# KiCad board AurisenseV2.kicad_pcb (continued)
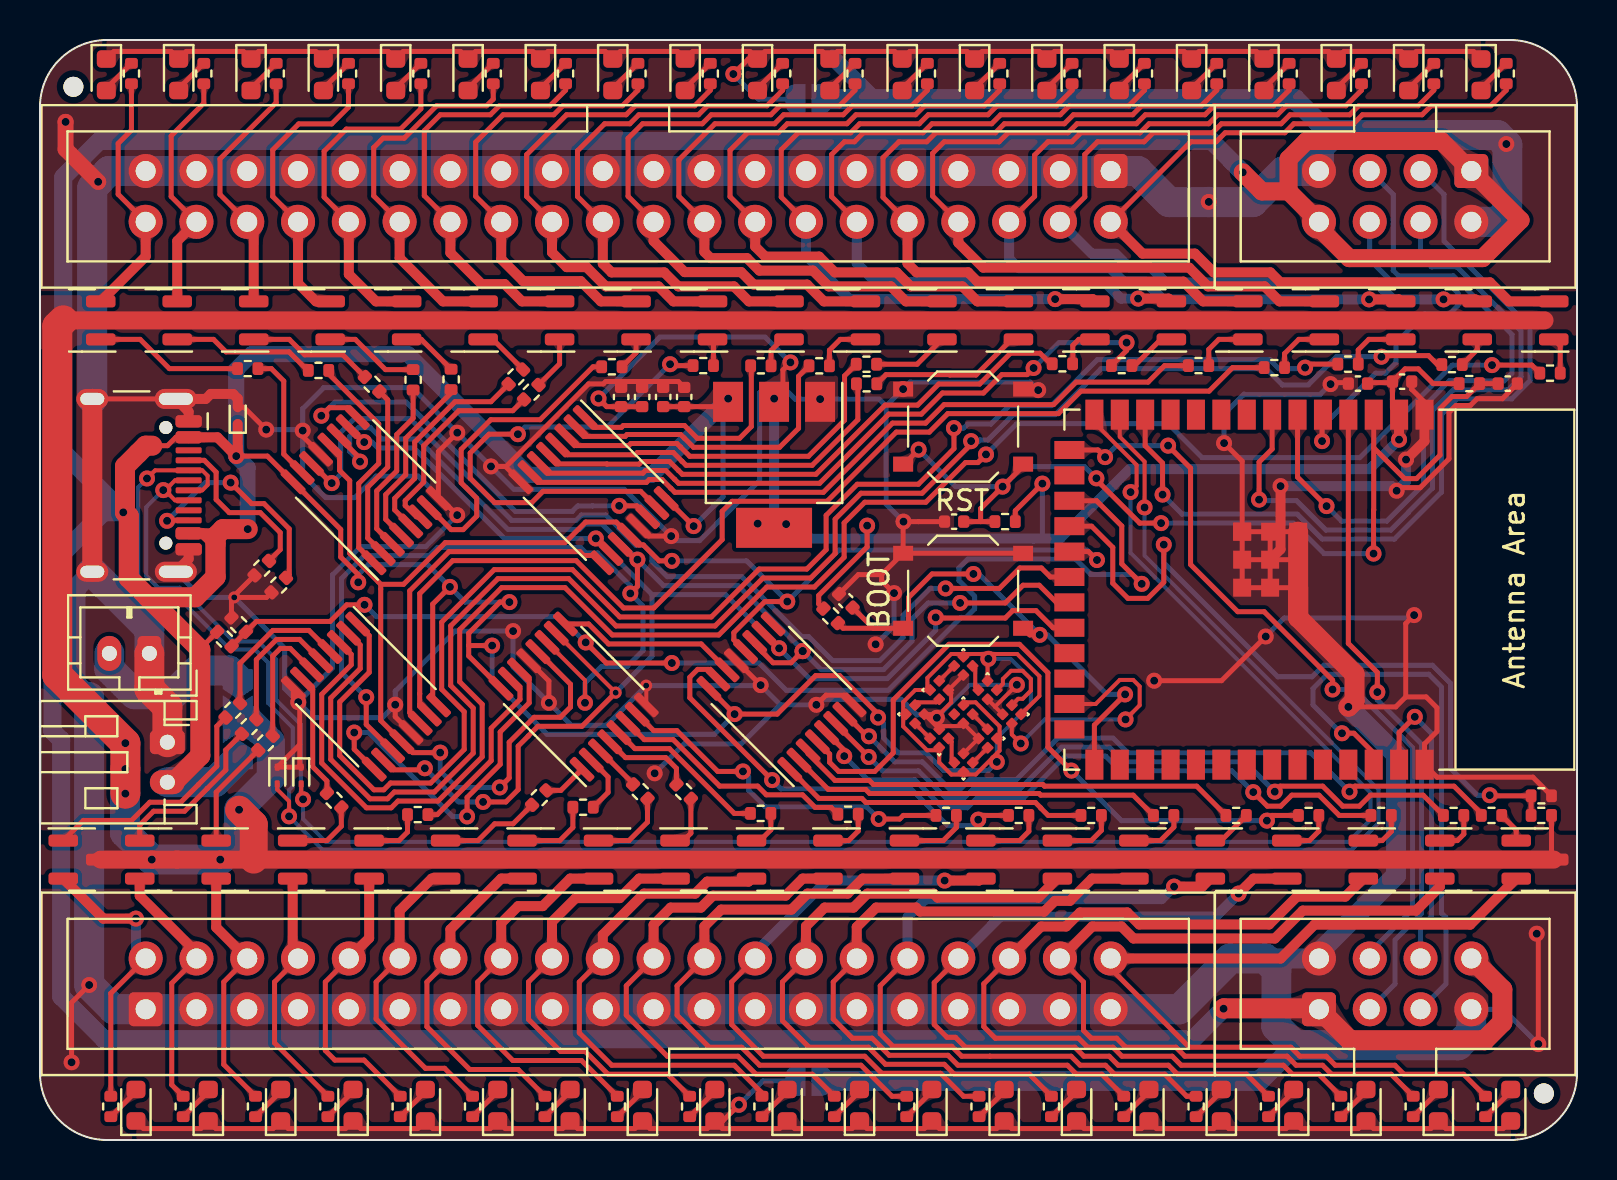
[diagram p0: board, top side]
## Nets (continued)
V Motor: JP1.2 Q1.3 Q2.3 Q3.3 Q4.3 Q5.3 Q6.3 Q7.3 Q8.3 Q9.3 Q10.3 Q11.3 Q12.3 Q13.3 Q14.3 Q15.3 Q16.3 Q17.3 Q18.3 Q19.3 Q20.3 Q21.3 Q22.3 Q23.3 Q24.3 Q25.3 Q26.3 Q27.3 Q28.3 Q29.3 Q30.3 Q31.3 Q32.3 Q33.3 Q34.3 Q35.3 Q36.3 Q37.3 Q38.3 Q39.3 Q40.3 R88.2
Net-(D1-A): D1.2 R2.2
Net-(D2-A): D2.2 R4.2
Net-(D3-A): D3.2 R6.2
Net-(D4-A): D4.2 R8.2
Net-(D5-A): D5.2 R10.2
Net-(D6-A): D6.2 R12.2
Net-(D7-A): D7.2 R14.2
Net-(D8-A): D8.2 R16.2
Net-(D9-A): D9.2 R18.2
Net-(D10-A): D10.2 R20.2
Net-(D11-A): D11.2 R22.2
Net-(D12-A): D12.2 R24.2
Net-(D13-A): D13.2 R26.2
Net-(D14-A): D14.2 R28.2
Net-(D15-A): D15.2 R30.2
Net-(D16-A): D16.2 R32.2
Net-(D17-A): D17.2 R34.2
Net-(D18-A): D18.2 R36.2
Net-(D19-A): D19.2 R38.2
Net-(D20-A): D20.2 R40.2
Net-(D21-A): D21.2 R42.2
Net-(D22-A): D22.2 R44.2
Net-(D23-A): D23.2 R46.2
Net-(D24-A): D24.2 R48.2
Net-(D25-A): D25.2 R50.2
Net-(D26-A): D26.2 R52.2
Net-(D27-A): D27.2 R54.2
Net-(D28-A): D28.2 R56.2
Net-(D29-A): D29.2 R59.2
Net-(D30-A): D30.2 R61.2
Net-(D31-A): D31.2 R63.2
Net-(D32-A): D32.2 R65.2
Net-(D37-A): D37.2 R78.2
Net-(D38-A): D38.2 R79.2
Net-(D39-A): D39.2 R80.2
Net-(D40-A): D40.2 R81.2
Net-(D41-A): D41.2 R82.2
Net-(D42-A): D42.2 R83.2
Net-(D43-A): D43.2 R84.2
Net-(D44-A): D44.2 R85.2
Net-(Q1-G): Q1.1 R1.2
Net-(Q2-G): Q2.1 R3.2
Net-(Q3-G): Q3.1 R5.2
Net-(Q4-G): Q4.1 R7.2
Net-(Q5-G): Q5.1 R9.2
Net-(Q6-G): Q6.1 R11.2
Net-(Q7-G): Q7.1 R13.2
Net-(Q8-G): Q8.1 R15.2
Net-(Q9-G): Q9.1 R17.2
Net-(Q10-G): Q10.1 R19.2
Net-(Q11-G): Q11.1 R21.2
Net-(Q12-G): Q12.1 R23.2
Net-(Q13-G): Q13.1 R25.2
Net-(Q14-G): Q14.1 R27.2
Net-(Q15-G): Q15.1 R29.2
Net-(Q16-G): Q16.1 R31.2
Net-(Q17-G): Q17.1 R33.2
Net-(Q18-G): Q18.1 R35.2
Net-(Q19-G): Q19.1 R37.2
Net-(Q20-G): Q20.1 R39.2
Net-(Q21-G): Q21.1 R41.2
Net-(Q22-G): Q22.1 R43.2
Net-(Q23-G): Q23.1 R45.2
Net-(Q24-G): Q24.1 R47.2
Net-(Q25-G): Q25.1 R49.2
Net-(Q26-G): Q26.1 R51.2
Net-(Q27-G): Q27.1 R53.2
Net-(Q28-G): Q28.1 R55.2
Net-(Q29-G): Q29.1 R57.2
Net-(Q30-G): Q30.1 R60.2
Net-(Q31-G): Q31.1 R62.2
Net-(Q32-G): Q32.1 R64.2
Net-(Q33-G): Q33.1 R70.2
Net-(Q34-G): Q34.1 R71.2
Net-(Q35-G): Q35.1 R72.2
Net-(Q36-G): Q36.1 R73.2
Net-(Q37-G): Q37.1 R74.2
Net-(Q38-G): Q38.1 R75.2
Net-(Q39-G): Q39.1 R76.2
Net-(Q40-G): Q40.1 R77.2
Net-(U2-QA): R1.1 U2.15
Net-(U2-QB): R3.1 U2.1
Net-(U2-QC): R5.1 U2.2
Net-(U2-QD): R7.1 U2.3
Net-(U2-QE): R9.1 U2.4
Net-(U2-QF): R11.1 U2.5
Net-(U2-QG): R13.1 U2.6
Net-(U2-QH): R15.1 U2.7
Net-(U4-QA): R70.1 U4.15
Net-(U4-QB): R71.1 U4.1
Net-(U4-QC): R72.1 U4.2
Net-(U4-QD): R73.1 U4.3
Net-(U4-QE): R74.1 U4.4
Net-(U4-QF): R75.1 U4.5
Net-(U4-QG): R76.1 U4.6
Net-(U4-QH): R77.1 U4.7
Net-(U5-DOUT): U5.1 U7.4
Net-(U6-QA): R17.1 U6.15
Net-(U6-QB): R19.1 U6.1
Net-(U6-QC): R21.1 U6.2
Net-(U6-QD): R23.1 U6.3
Net-(U6-QE): R25.1 U6.4
Net-(U6-QF): R27.1 U6.5
Net-(U6-QG): R29.1 U6.6
Net-(U6-QH): R31.1 U6.7
Net-(U7-DOUT): U7.1 U8.4
Net-(U9-QA): R33.1 U9.15
Net-(U9-QB): R35.1 U9.1
Net-(U9-QC): R37.1 U9.2
Net-(U9-QD): R39.1 U9.3
Net-(U9-QE): R41.1 U9.4
Net-(U9-QF): R43.1 U9.5
Net-(U9-QG): R45.1 U9.6
Net-(U9-QH): R47.1 U9.7
Net-(U10-DIN): U8.1 U10.4
Net-(U10-DOUT): U10.1 U12.4
Net-(U11-QA): R49.1 U11.15
Net-(U11-QB): R51.1 U11.1
Net-(U11-QC): R53.1 U11.2
Net-(U11-QD): R55.1 U11.3
Net-(U11-QE): R57.1 U11.4
Net-(U11-QF): R60.1 U11.5
Net-(U11-QG): R62.1 U11.6
Net-(U11-QH): R64.1 U11.7
Net-(U12-DOUT): U12.1 U13.4
Net-(U13-DOUT): U13.1 U14.4
Net-(U14-DOUT): U14.1 U15.4
Net-(U15-DOUT): U15.1 U16.4

Pads without a net: J1 A8 B8; U1 8 9 10 11 16 23 24 26 28 29 30 31 32 33 34 35 36 37; U16 1

## Via types
v1: diameter 0.8, hole 0.4, Top to Bottom, 158 vias
v2: diameter 0.6, hole 0.3, Top to Bottom, 3 vias

## Routing (per net, layer and track width the routed paths; a pad name or vN(x,y) marks a point on that pad's centre or on a via; arc(x,y) is an arc through that point)
5V Monitoring: length 60.1
  Top w0.25: R86.1 R87.1 10.82,25.93 14.51,25.93 15.34,26.76 v1(16.23,26.76) ; U1.17 52.84,31.96 54.1,30.7 54.1,28.8 v1(55.1,27.81) ; v1(31.6,23.85) 28.32,23.85 v1(27.29,24.88)
  Bottom w0.25: v1(55.1,27.81) 54.63,28.27 52.56,28.27 51.79,29.04 46.4,29.04 45.96,28.6 45.96,27.97 46.74,27.19 46.74,26.55 46.31,26.13 46.07,26.13 42.42,22.48 37.32,22.48 35.96,23.85 v1(31.6,23.85) ; v1(16.23,26.76) 16.82,26.17 26,26.17 v1(27.29,24.88)
+3V3: length 76.9
  Top w0.25: C4.1 C5.1 ; C4.1 28.96,36.57 ; C4.1 28.34,36.67 v1(27.93,37.08) ; v1(37.53,38.88) 37.15,38.5 37.15,37.35 U3.2 ; 66.52,37.87 67.59,37.87 C6.2 67.64,37.93 68.27,38.55 68.93,38.55 69.67,37.82 R58.1 ; 50.12,32.82 v1(50.13,32.82) 48.77,31.46 R68.1 ; R69.1 38.94,26.81 38.94,27.23 41.36,29.65 v1(41.36,30.72) ; 67.63,38.02 67.63,37.02 ; 67.63,38.02 67.63,37.81 ; 67.63,38.02 67.58,37.97 ; U1.2 67.63,36.6 67.63,37.02 ; 67.63,37.07 67.63,37.02
  Top w0.5: U1.2 67.96,36.26 v1(67.96,35.02)
  Bottom w0.25: v1(27.93,37.08) 31,40.15 36.26,40.15 v1(37.53,38.88) ; v1(41.36,30.72) 41.36,30.07 ; v1(50.13,32.82) 50.13,30.07 49.69,30.07
  Bottom w0.5: v1(36.71,37.07) 36.71,31.39 ; 36.71,31.39 v1(37.31,30.79) 38.04,30.07 51.01,30.07 53.69,32.74 53.69,32.75 54.49,33.54 66.49,33.54 v1(67.96,35.02) ; 36.71,31.39 36.14,30.82 v1(35.89,30.82)
+5V: length 411.7
  Top w0.2: 47.42,24.3 46.31,24.3 U8.2 46.04,24.3 45.57,24.3 44.38,23.11 44.38,22.63 U10.2 43.77,22.5 43.17,21.9 43.17,21.42 U12.2 43.17,21.16 43.17,20.68 44.36,19.49 44.84,19.49 U13.2 44.97,18.88 45.58,18.27 46.05,18.27 U14.2 46.32,18.27 46.79,18.27 47.64,19.12 ; 47.42,24.3 47.39,24.27 U7.2 ; 47.42,24.3 48.87,24.3 49.98,23.19 49.98,22.2 U5.2 ; U16.2 46.31,21.88 46.79,21.88 47.99,20.68 47.99,20.21 U15.2 47.99,19.94 47.99,19.47 47.64,19.12 ; 47.64,19.12 47.64,19.12 v1(47.85,18.91)
  Top w0.25: U4.16 v1(34.74,21.29) 36.86,21.29 38.79,23.22 39.99,23.22 41.91,21.3 v1(41.91,21.12) ; 21.44,24.73 21.44,24.2 U11.16 ; 21.44,24.73 21.44,25.33 23,26.89 v1(23.48,26.89) ; 21.44,24.73 21.45,24.72 v1(22.61,24.72) ; C2.1 C3.1 34.01,36.67 v1(34.41,37.07) ; v1(9.81,34.19) 11.37,34.19 U2.16 15.04,30.53 15.04,29.15 15.91,28.27 v1(15.91,27.88) ; 31.36,32.13 U6.16 31.31,32.07 v1(32.69,30.69) ; R86.2 8.02,24.57 8.02,24.51 ; v1(20.5,27.66) 19.64,26.79 19.64,22.05 U9.16 ; 5.46,34.72 6.38,34.72 6.79,35.13 7.43,35.13
  Top w0.5: 8.53,29.93 8.53,27.99 7.81,27.27 5.74,27.27 5.5,27.03 ; 8.53,29.93 9.15,30.54 8.94,30.33 7.43,30.33 8.13,30.33 8.53,29.93 ; D33.1 9.89,34.27 v1(9.81,34.19) 8.87,35.13 7.43,35.13
  Top w0.9: 62.44,47.43 61.1,47.43 v1(60.15,48.38) ; 62.44,47.43 J6.8 ; 62.44,47.43 62.44,49.05 63.34,49.95 70.08,49.95 J6.1 74.04,45.99 72.14,44.09 65.47,44.09 63.96,45.61
  Top w1: 5.61,34.72 5.29,34.72 4.25,33.68 4.25,31.38 4.44,31.19 4.44,28.09 5.4,27.14 ; 5.4,27.14 7.77,27.14 8.78,28.16 8.78,30.18 9.15,30.54 v1(10.39,30.54) ; 5.4,27.14 8.02,24.51 8.02,19.22 6.69,17.89 J3.2 ; J7.8 73.13,7.53 73.13,5.88 72.24,4.99 65.51,4.99 J7.1 63.91,6.58 59.21,6.58 v1(59.19,6.56)
  Bottom w0.2: v1(47.85,18.91) 47.85,20.09 49.55,21.79 49.55,23.05 48.54,24.06 v1(47.43,24.06)
  Bottom w0.25: v1(22.61,24.72) 22.61,23.03 25.36,20.28 33.72,20.28 v1(34.74,21.29) ; v1(32.69,30.69) 34.16,32.16 34.16,36.81 v1(34.41,37.07) ; v1(47.85,18.91) 47.42,18.47 45.19,18.47 44.31,19.36 42.92,19.36 42.18,20.1 42.18,20.85 v1(41.91,21.12) ; v1(23.48,26.89) 21.26,26.89 v1(20.5,27.66) 19.38,28.77 16.41,28.77 15.91,28.27 v1(15.91,27.88)
  Bottom w0.5: v1(10.39,30.54) 10.38,30.55
  Bottom w0.8: 10.38,30.55 10.38,33.62 v1(9.81,34.19) 9.81,38.52 10.59,39.29 18.4,39.29 24.43,33.26 30.6,33.26 v1(34.41,37.07)
  Bottom w0.9: v1(60.15,48.38) 58.58,49.95 2.97,49.95 1.16,48.14 1.16,34.38 v1(4.16,31.38) 3.18,31.38 0.62,28.82 0.62,20.45 1.06,20.01 1.06,7.17 3.19,5.04 57.66,5.04 v1(59.19,6.56)
  Bottom w1.5: JP1.1 8.74,17.89 J3.2
GND: length 677.4
  Top w0.2: 47.76,21.67 47.76,21.67 v1(48.85,22.76) ; 47.76,21.67 U5.3 ; 47.76,21.67 U7.3 ; U8.3 U10.3 ; U10.3 45.56,22.36 45.56,21.88 44.97,21.29 U12.3 U13.3 45.13,20.7 46.05,20.7 U16.3 U15.3 U14.3 ; U10.3 45.59,22.34 ; v2(30.31,22.72) 30.32,22.71 U11.8
  Top w0.25: R67.1 11.32,27.13 v2(9.71,27.13) ; 2.61,37.05 J1.S1 ; 42.09,28.27 43.16,29.34 43.16,29.34 ; 42.09,28.27 40.92,28.27 C9.2 ; 42.09,28.27 42.09,27.96 v1(42.71,27.34) ; R89.2 74.66,18.14 69.86,18.14 U1.40 69.24,19.8 69.86,20.42 69.86,21.61 69.32,22.16 68.3,22.16 ; v1(17.76,21.76) 17.76,21.17 U9.13 ; U1.1 69.24,36.89 68.59,37.54 ; 43.01,37.39 v1(43.16,37.54) ; 74.93,5.09 74.93,10.23 v1(74.85,10.31) ; v1(61.3,25.17) 59.09,22.96 v1(55.72,22.96) ; U6.8 23.28,33.68 v1(22.55,33.68) 23.31,33.68 27.44,37.8 28.17,37.8 28.29,37.92 31.92,37.92 C3.2 ; U1.41 U1.41 ; v1(59.21,34.84) 60.12,33.94 U1.41 ; D35.1 11.86,18.64 12.99,19.77 ; SW1.1 49.87,37.54 v1(49.92,37.49) ; 68.59,38.02 68.59,37.54 ; 68.59,37.54 68.6,37.54 C6.1 ; v1(2.46,7.75) 1.58,6.87 v1(1.58,3.88) ; U1.41 U1.41 ; U2.13 13.14,35.18 v1(13.14,35.47) ; D33.2 10.19,36.64 v1(11.31,35.52) ; 64.53,37.97 64.54,37.96 v1(64.54,37.79) 64.61,37.87 65.56,37.87 ; v1(65.43,21.66) 67.8,21.66 68.3,22.16 ; v2(9.71,27.13) 9.71,27.22 R66.1 ; v2(9.71,27.13) 9.58,26.99 R87.2 ; 43.16,29.34 SW2.1 ; 43.16,29.34 43.16,30.9 v1(43.18,30.92) 43.94,30.92 C8.2 ; U6.13 30.44,30.19 v1(31.56,30.19) ; v1(36.04,22.74) 36.04,22.75 U4.13 ; v1(20.87,35.36) 19.92,34.42 U2.8 20.03,32.08 v1(20.86,31.24) ; 12.99,19.77 12.99,18.72 D34.1 11.87,18.64 11.87,18.64 ; 12.99,19.77 12.99,21.82 v1(12.91,21.89) 12.67,22.14 U9.8 ; U1.41 U1.41 U1.41 U1.41 U1.41 ; 68.3,22.16 68.3,25.82 v1(68.72,26.24) ; v1(25.45,21.86) 25.45,22.95 U11.13 ; v1(38.82,21.76) 39.31,22.24 40.22,22.24 U4.8 ; v1(67.84,32.46) 68,32.62 69.03,32.62 70.46,34.06 70.46,36.38 70.81,36.72 71.53,36.72 71.87,37.06 73.13,37.06 73.88,37.81 C1.2
  Top w0.5: 7.43,35.93 7.43,36.41 J1.S1 8.29,37.05 8.54,37.3 9.65,37.3 9.89,37.07 D33.2 ; 7.43,29.53 7.43,29.05 J1.S1 ; U1.1 69.24,34.94 v1(68.31,34.02) ; U1.41 62.04,29.54 v1(62.04,32.69)
  Top w0.8: v1(1.28,50.91) 1.28,49.54 v1(2.91,47.91)
  Top w1: 62.92,26.11 U1.41 ; 62.92,26.11 U1.41 ; 62.92,26.11 65.74,23.29 65.74,21.97 v1(65.43,21.66) ; 2.61,28.41 2.61,37.05
  Top w1.5: J2.1 5.47,22.56 6.37,21.66 J3.1
  Bottom w0.2: v1(48.85,22.76) 46.5,22.76 v1(44.85,21.11) 44.7,21.26
  Bottom w0.25: v1(59.21,34.84) 59.21,36.29 60.21,37.29 60.24,37.27 64.01,37.27 v1(64.54,37.79) ; v1(13.14,35.47) 13.09,35.52 v1(11.31,35.52) ; v1(13.14,35.47) 13.14,33.27 14.29,32.12 15.74,32.12 16.81,33.19 18.91,33.19 v1(20.86,31.24) 19.29,29.67 16.04,29.67 14.63,28.26 14.63,23.61 v1(12.91,21.89) ; v1(13.14,35.47) 13.14,36.57 14.19,37.62 18.61,37.62 v1(20.87,35.36) v1(22.55,33.68) 23.7,32.53 29.22,32.53 v1(31.56,30.19) 31.79,29.97 32.99,29.97 35.99,32.97 35.99,37.37 36.41,37.79 37.01,37.79 37.76,37.04 v1(39.01,37.04) 41.96,37.04 42.31,36.69 ; v1(61.3,25.17) 62.23,26.1 68.58,26.1 v1(68.72,26.24) ; 42.31,36.69 v1(43.16,37.54) 43.51,37.89 49.52,37.89 v1(49.92,37.49) ; 42.31,36.69 42.31,31.79 v1(43.18,30.92) ; v1(42.71,27.34) 42.71,25.7 v1(41.79,24.78) ; 37.02,21.76 35.07,19.8 32.21,19.8 v1(30.74,18.34) ; 37.02,21.76 v1(36.04,22.74) 36.01,22.72 v2(30.31,22.72) 28.33,20.73 26.58,20.73 v1(25.45,21.86) 23.66,23.65 v1(23.66,25.45) 20.76,25.45 17.76,22.44 v1(17.76,21.76) 17.11,21.11 13.69,21.11 v1(12.91,21.89) ; 37.02,21.76 v1(38.82,21.76) 39.1,22.03 43.08,22.03 43.85,21.26 44.7,21.26 ; J7.7 73.19,6.54 v1(74.93,4.8) ; v1(12.91,21.89) 12.24,22.57 12.24,24.59 11.48,25.35 11.48,25.36 v2(9.71,27.13) 8.08,27.13 J1.S1
  Bottom w0.5: v1(68.31,34.02) 68.31,32.93 v1(67.84,32.46) 67.61,32.69 v1(62.04,32.69)
  Bottom w0.8: 39.64,54.12 41.72,52.05
  Bottom w1: JP2.1 62.76,52.05 64.56,50.25 ; 62.76,4.74 60.98,2.95 JP3.1 ; 2.61,28.41 1.77,27.57 1.77,22.85 2.46,22.16 ; 61.26,9.08 J7.2 ; v1(65.43,21.66) 67.81,19.27 67.81,13.23 63.96,9.38 ; 56.98,6.54 J5.39 J5.1 3.67,6.54
  Bottom w1.5: 2.61,37.05 2.61,47.61 v1(2.91,47.91) 3.45,48.45 J4.3 J4.1 54.9,48.45 56.46,46.89 58.44,46.89 v1(58.45,46.91) 58.46,46.89 60.65,46.89 62.2,48.45 J6.7 63.96,49.65 64.56,50.25 72.88,50.25 v1(73.33,49.8) 73.38,49.75 73.38,46.41 72.88,45.91 J6.2 ; J2.1 5.47,25.56 2.61,28.41 ; 2.46,22.16 v1(2.46,7.75) 3.67,6.54 56.98,6.54 59.52,9.08 61.26,9.08 61.83,8.51 61.83,5.67 62.76,4.74 70.93,4.74 71.58,5.39 J7.7
VIN Monitoring: length 37.6
  Top w0.25: R88.1 R89.1 72.53,17.21 v1(72.5,17.24) ; v1(56.2,29.77) 56.2,27.88 55.4,27.08 54.41,27.08 53.65,27.84 53.65,29.63 52.59,30.69 U1.18 51.5,30.67
  Bottom w0.25: v1(56.2,29.77) 56.2,28.86 61.9,23.16 63.61,23.16 64.19,23.74 69.63,23.74 70.54,22.84 70.54,18.58 71.88,17.24 v1(72.5,17.24)
Chip_PU: length 49.4
  Top w0.25: 43.16,33.79 43.21,33.79 v1(43.94,34.52) ; 66.7,34.61 U1.3 66.74,36.31 ; 66.7,34.61 66.7,31.5 66.69,31.49 v1(66.69,29.32) ; 66.7,34.61 68.24,33.07 68.84,33.07 70.01,34.24 70.01,36.57 70.62,37.17 71.34,37.17 R58.2 C1.1 ; 47.04,30.92 47.04,31.57 v1(48.14,32.67) 49.16,33.69 SW1.2 ; 47.04,30.92 C8.1 ; 47.04,30.92 R68.2 ; v1(56.06,30.84) 55,30.84 52.83,33.01 v1(52.83,33.09)
  Bottom w0.25: v1(43.94,34.52) 45.79,32.67 v1(48.14,32.67) 49.14,33.67 52.24,33.67 v1(52.83,33.09) ; v1(56.06,30.84) 62.69,30.84 64.21,29.32 v1(66.69,29.32)
D+: length 105.7
  Top w0.2: 7.43,32.98 6.75,32.98 6.48,32.71 v1(6.16,32.49) 6.48,32.25 6.75,31.98 7.43,31.98 ; v1(54.54,32.39) 54.84,32.69 54.84,33.75 52.73,35.86 U1.14 ; v1(13.16,17.04) 13.06,17.13 D34.2
  Bottom w0.2: v1(6.16,32.49) 5.31,31.64 5.31,28.21 5.91,27.61 6.99,27.61 9.68,24.92 10.91,24.92 11.81,24.02 11.81,22 13.04,20.78 13.04,17.15 v1(13.16,17.04) 13.16,16.05 14.3,14.91 65.43,14.91 66.54,16.02 66.54,17.35 54.54,29.35 v1(54.54,32.39)
D-: length 109.9
  Top w0.2: v1(55.24,31.63) 55.24,33.92 54,35.16 U1.13 ; v1(5.35,33.08) 5.76,33.48 8.11,33.48 8.38,33.21 8.38,32.75 8.11,32.48 7.43,32.48 ; v1(12.46,16.18) 12.46,16.94 11.86,17.53 D35.2
  Bottom w0.2: v1(5.35,33.08) 4.91,32.64 4.91,28.05 5.75,27.21 6.83,27.21 9.52,24.52 10.75,24.52 11.41,23.86 11.41,21.84 12.64,20.61 12.64,17.68 12.46,17.5 v1(12.46,16.18) 14.13,14.51 65.59,14.51 66.94,15.85 66.94,17.52 55.24,29.22 v1(55.24,31.63)
GPIO 0: length 25.9
  Top w0.25: v1(54.27,22.28) 52.73,20.75 U1.27 ; v1(49.99,25.26) 49.49,25.26 SW2.2 ; R69.2 40.16,25.59 42.16,25.59 ; v1(46.68,28.3) 44.61,28.3 43.43,27.12 43.43,25.86 43.16,25.59 42.16,25.59 ; 42.16,25.59 41.67,25.59 C9.1
  Bottom w0.25: v1(46.68,28.3) 46.95,28.3 v1(49.99,25.26) 50.38,25.26 53.35,22.28 v1(54.27,22.28)
latch pin: length 78.5
  Top w0.25: 17.04,27.78 18.18,27.78 20.27,29.87 26.26,29.87 27.28,30.9 28.82,30.9 U6.12 29.96,29.75 30.17,29.75 30.97,28.96 v1(31.6,28.96) ; 17.04,27.78 17.04,20.97 U9.12 18.64,19.37 v1(20.01,19.37) ; 17.04,27.78 15.49,29.33 15.49,32.97 14.98,33.48 14.98,34.26 U2.12 ; U11.12 26.53,22.79 26.53,21.65 26.02,21.14 24.71,21.14 23.46,19.89 23.46,18.1 v1(22.99,17.63) ; v1(52.86,29) 52.85,29 52.43,29.42 U1.19 ; U4.12 34.7,25.01 34.7,25.37 36.25,26.92 v1(37.37,26.92)
  Bottom w0.25: v1(31.6,28.96) 35.34,28.96 v1(37.37,26.92) 39.94,29.49 52.36,29.49 v1(52.86,29) ; v1(20.01,19.37) 20.01,18.46 20.84,17.63 v1(22.99,17.63)
LED 1-20: length 79.9
  Top w0.25: D1.1 3.7,54.43 6.55,54.43 D2.1 7.31,54.43 10.17,54.43 D3.1 10.93,54.43 13.79,54.43 D4.1 14.55,54.43 17.41,54.43 D5.1 18.17,54.43 21.03,54.43 D6.1 21.79,54.43 24.65,54.43 D7.1 25.41,54.43 28.26,54.43 D8.1 29.02,54.43 31.88,54.43 D9.1 32.64,54.43 35.5,54.43 D10.1 ; v1(34.67,53.3) 35.42,54.05 D10.1 ; D10.1 36.26,54.43 39.12,54.43 D11.1 39.88,54.43 42.74,54.43 D12.1 43.5,54.43 46.36,54.43 D13.1 47.12,54.43 49.97,54.43 D14.1 50.73,54.43 53.59,54.43 D15.1 54.35,54.43 57.21,54.43 D16.1 57.97,54.43 60.83,54.43 D17.1 61.59,54.43 64.45,54.43 D18.1 65.21,54.43 68.07,54.43 D19.1 68.83,54.43 71.68,54.43 D20.1
  Bottom w0.25: v1(34.67,53.3) 35.93,52.05 JP2.2
LED 21-40: length 79.6
  Top w0.25: D29.1 34.14,0.95 v1(34.95,1.76) ; D29.1 34.13,0.57 36.98,0.57 D30.1 37.74,0.57 40.6,0.57 D31.1 41.36,0.57 44.22,0.57 D32.1 44.98,0.57 47.84,0.57 D37.1 48.6,0.57 51.46,0.57 D38.1 52.22,0.57 55.08,0.57 D39.1 55.84,0.57 58.69,0.57 D40.1 59.45,0.57 62.31,0.57 D41.1 63.07,0.57 65.93,0.57 D42.1 66.69,0.57 69.55,0.57 D43.1 70.31,0.57 73.17,0.57 D44.1 ; D29.1 33.37,0.57 30.51,0.57 D28.1 29.75,0.57 26.89,0.57 D27.1 26.13,0.57 23.27,0.57 D26.1 22.51,0.57 19.65,0.57 D25.1 18.89,0.57 16.03,0.57 D24.1 15.27,0.57 12.42,0.57 D23.1 11.66,0.57 8.8,0.57 D22.1 8.04,0.57 5.18,0.57 D21.1
  Bottom w0.25: v1(34.95,1.76) 36.15,2.95 JP3.2
LED Input: length 13
  Top w0.2: v1(54.29,21.03) 54.99,21.73 54.99,22.68 54.67,23 54,23 52.79,21.8 U1.25 ; U5.4 48.6,20.27 v1(49.05,19.83)
  Bottom w0.2: v1(54.29,21.03) 50.25,21.03 v1(49.05,19.83)
master reclear: length 71.5
  Top w0.2: v2(28.79,22.37) U11.10
  Top w0.25: v2(28.79,22.37) 27.1,20.69 24.9,20.69 24.41,20.2 24.41,20.19 23.91,19.69 23.91,17.52 23.3,16.9 v1(22.16,16.9) ; v1(16.21,34.89) 16.19,34.89 U2.10 ; v1(27.8,30.08) U6.10 ; U1.22 50.66,25.61 49.81,26.47 48.64,26.47 48.27,26.1 44.83,26.1 v1(44.79,26.13) ; v1(36.96,24.59) 36.96,24.59 U4.10 ; v1(19.25,18.59) 19.17,18.51 17.66,18.51 U9.10
  Bottom w0.25: 30.6,27.27 30.6,24.19 v2(28.79,22.37) ; 30.6,27.27 34.28,27.27 v1(36.96,24.59) 38.48,23.07 42.37,23.07 44.79,25.49 v1(44.79,26.13) ; 30.6,27.27 v1(27.8,30.08) 23.22,30.08 18.7,34.6 16.9,34.6 16.6,34.89 v1(16.21,34.89) ; v1(19.25,18.59) 20.93,16.9 v1(22.16,16.9)
MISO - A: length 38
  Top w0.25: v1(56.41,34.72) 57.54,33.59 57.54,28.77 59.9,26.41 61.22,26.41 64.64,22.99 v1(64.64,22.52) ; U1.15 52.91,34.5 v1(53.26,34.14)
  Bottom w0.25: 66.5,9.38 68.64,11.52 68.64,19.61 65.73,22.52 v1(64.64,22.52) ; v1(53.26,34.14) 53.84,34.72 v1(56.41,34.72)
MISO - B: length 34
  Top w0.25: U1.7 61.62,34.55 60.96,33.89 v1(60.96,32.02)
  Bottom w0.25: v1(60.96,32.02) 61.01,31.97 62.84,31.97 64.31,30.49 67.55,30.49 68.44,31.38 68.44,31.4 69.64,32.6 69.64,36.47 70.67,37.51 73.41,37.51 74.06,38.16 74.06,40.45 70.86,43.66 69.58,43.66 69.04,44.19 69.04,45.61
MOSI - A: length 29.2
  Top w0.25: U1.38 66.7,19.35 65.71,20.34 v1(65.11,20.34)
  Bottom w0.25: v1(65.11,20.34) 65.08,20.34 63.66,21.75 63.66,22.57 64.38,23.29 69.45,23.29 70.09,22.65 70.09,11.34 70.31,11.12 70.31,7.81 J7.5
MOSI - B: length 34.8
  Top w0.25: v1(64.34,31.69) 62.89,33.14 U1.6
  Bottom w0.25: v1(64.34,31.69) 65.09,30.94 67.35,30.94 69.19,32.78 69.19,36.66 69.95,37.42 69.95,37.43 70.49,37.97 72.13,37.97 72.14,37.96 73.23,37.96 73.61,38.34 73.61,40.27 70.68,43.21 67.94,43.21 67.67,43.47 67.67,47.27 J6.5
motor 1 anode: length 12.7
  Top w0.25: J4.40 3.91,47.29 3.91,49.83 4.57,50.49 R2.1
  Top w0.5: Q1.2 5.29,44.18 J4.40
motor 2 anode: length 12.5
  Top w0.25: J4.38 6.56,47.18 6.56,50.2 8.19,51.84 R4.1
  Top w0.5: Q2.2 6.86,44.95 J4.38
motor 3 anode: length 13
  Top w0.25: R6.1 11.81,51.87 9,49.06 9,47.27 J4.36
  Top w0.5: 10.36,45.61 J4.36 10.69,45.59 Q3.2
motor 4 anode: length 15
  Top w0.25: R8.1 15.43,51.64 14.59,50.8 12.94,50.8 11.64,49.5 11.64,47.18 J4.34
  Top w0.5: J4.34 12.9,42.83 13.8,41.93 Q4.2
motor 5 anode: length 17.1
  Top w0.25: J4.32 14.21,47.15 14.21,49.44 15.32,50.55 18.03,50.55 19.05,51.56 R10.1
  Top w0.5: Q5.2 16.8,41.93 15.44,43.29 J4.32
motor 6 anode: length 18.9
  Top w0.25: R12.1 22.67,52.04 22.34,51.71 19.83,51.71 18.22,50.09 17.16,50.09 16.69,49.62 16.69,47.21 J4.30
  Top w0.5: J4.30 17.98,44.1 20.15,41.93 Q6.2
motor 7 anode: length 21.3
  Top w0.25: J4.28 19.22,47.22 19.22,50.46 20.02,51.26 22.52,51.26 22.97,51.71 25.51,51.71 26.28,52.49 R14.1
  Top w0.5: Q7.2 24.1,41.93 23.24,42.79 22.09,42.79 20.53,44.36 J4.28
motor 8 anode: length 23.5
  Top w0.25: J4.26 21.79,47.19 21.79,49.89 23.16,51.26 25.69,51.26 26.14,51.71 29.13,51.71 29.9,52.49 R16.1
  Top w0.5: Q8.2 28.05,41.93 27.04,42.94 24.16,42.94 23.07,44.04 J4.26
motor 9 anode: length 25.3
  Top w0.25: R18.1 33.52,52.49 32.74,51.71 29.76,51.71 29.31,51.26 26.33,51.26 24.34,49.27 24.34,47.18 J4.24
  Top w0.5: Q9.2 31.68,41.93 30.93,42.68 28.29,42.68 27.33,43.64 26.34,43.64 25.61,44.38 J4.24
motor 10 anode: length 28.1
  Top w0.25: R20.1 37.14,52.49 36.36,51.71 33.38,51.71 32.93,51.26 29.95,51.26 29.5,50.81 28.24,50.81 26.88,49.45 26.88,47.18 J4.22
  Top w0.5: Q10.2 35.45,41.93 34.7,42.68 31.92,42.68 31.22,43.38 28.58,43.38 28.14,43.82 J4.22
motor 11 anode: length 30.2
  Top w0.25: J4.20 29.41,47.19 29.41,50.09 30.14,50.81 33.12,50.81 33.57,51.26 36.55,51.26 37,51.71 39.98,51.71 40.76,52.49 R22.1
  Top w0.5: Q11.2 39.2,41.93 38.36,42.77 35.69,42.77 35.06,43.39 32.24,43.39 30.68,44.95 J4.20
motor 12 anode: length 32.2
  Top w0.25: R24.1 44.38,52.49 43.6,51.71 40.62,51.71 40.17,51.26 37.19,51.26 36.74,50.81 33.75,50.81 31.95,49.01 31.95,47.19 J4.18
  Top w0.5: J4.18 33.22,44.41 33.54,44.09 35.35,44.09 35.98,43.47 38.65,43.47 39.44,42.68 42.55,42.68 43.3,41.93 Q12.2
motor 13 anode: length 34.7
  Top w0.25: J4.16 34.51,47.17 34.51,49.48 35.39,50.36 36.92,50.36 37.37,50.81 40.35,50.81 40.8,51.26 43.79,51.26 44.24,51.71 47.22,51.71 47.99,52.49 R26.1
  Top w0.5: J4.16 35.77,44.67 36.27,44.17 38.96,44.17 39.75,43.38 42.84,43.38 43.54,42.68 46.13,42.68 46.88,41.93 Q13.2
motor 14 anode: length 37.3
  Top w0.25: R28.1 51.61,52.49 50.84,51.71 47.85,51.71 47.4,51.26 44.42,51.26 43.97,50.81 40.99,50.81 40.54,50.36 37.92,50.36 37.07,49.52 37.07,47.15 J4.14
  Top w0.5: Q14.2 52.64,42.04 v1(50.76,42.04)
  Bottom w0.5: J4.14 38.3,44.23 40.49,42.04 v1(50.76,42.04)
motor 15 anode: length 39.8
  Top w0.25: R30.1 55.23,52.49 54.45,51.71 51.47,51.71 51.02,51.26 48.04,51.26 47.59,50.81 44.61,50.81 44.16,50.36 41.18,50.36 40.73,49.91 40.23,49.91 39.59,49.27 39.59,47.17 J4.12
  Top w0.5: Q15.2 56.44,42.07 v1(54.91,42.07)
  Bottom w0.5: v1(54.91,42.07) 54.05,42.07 53.23,42.89 41.79,42.89 40.84,43.84 J4.12
motor 16 anode: length 42
  Top w0.25: R32.1 58.85,52.49 58.07,51.71 55.09,51.71 54.64,51.26 51.68,51.26 51.23,50.81 48.23,50.81 47.78,50.36 44.79,50.36 44.34,49.91 42.96,49.91 42.16,49.11 42.16,47.14 J4.10
  Top w0.5: J4.10 43.39,43.83 43.83,43.38 46.41,43.38 46.88,42.92 57.18,42.92 58.16,41.93 Q16.2
motor 17 anode: length 44
  Top w0.25: J4.8 44.64,47.2 44.64,49.33 45.22,49.91 47.96,49.91 48.41,50.36 51.41,50.36 51.86,50.81 54.83,50.81 55.28,51.26 58.26,51.26 58.71,51.71 61.69,51.71 62.47,52.49 R34.1
  Top w0.5: Q17.2 61.99,41.93 61.24,42.68 58.4,42.68 57.47,43.62 47.17,43.62 45.92,44.86 J4.8
motor 18 anode: length 44.2
  Top w0.25: R36.1 66.09,52.49 65.31,51.71 62.33,51.71 61.88,51.26 58.9,51.26 58.45,50.81 55.46,50.81 55.01,50.36 52.05,50.36 51.6,49.91 50.41,49.91 49.74,49.24 49.74,47.18 J4.6
  Top w0.5: v1(66.46,42.03) 67.95,42.03 Q18.2
  Bottom w0.5: v1(66.46,42.03) 56.15,42.03 55.27,42.92 54.19,42.92 53.52,43.59 48.94,43.59 48.46,44.07 J4.6
motor 19 anode: length 45.5
  Top w0.25: J4.4 52.25,47.15 52.25,49.27 52.89,49.91 55.22,49.91 55.67,50.36 58.63,50.36 59.08,50.81 62.07,50.81 62.52,51.26 65.5,51.26 65.95,51.71 68.93,51.71 69.7,52.49 R38.1
  Top w0.5: Q19.2 71.78,42.03 v1(70.19,42.03)
  Bottom w0.5: J4.4 52.6,44.31 53.79,44.31 54.48,43.62 55.56,43.62 56.29,42.88 66.82,42.88 67.67,42.03 v1(70.19,42.03)
motor 20 anode: length 46.6
  Top w0.25: J4.2 57.55,49.91 58.82,49.91 59.27,50.36 62.25,50.36 62.7,50.81 65.68,50.81 66.13,51.26 69.11,51.26 69.56,51.71 72.55,51.71 73.32,52.49 R40.1
  Top w0.5: Q20.2 73.46,41.93 72.51,42.88 62.03,42.88 61.53,43.38 58.69,43.38 57.76,44.32 55.13,44.32 J4.2
motor 21 anode: length 14.3
  Top w0.25: J5.2 3.54,7.33 R42.1
  Top w0.5: Q21.2 3.17,11.07 v1(4.8,11.07)
  Bottom w0.5: J5.2 4.8,9.56 v1(4.8,11.07)
motor 22 anode: length 12.8
  Top w0.25: J5.4 6.59,7.84 6.59,2.76 R44.1
  Top w0.5: Q22.2 4.99,12.21 7.82,9.38 J5.4
motor 23 anode: length 12.5
  Top w0.25: J5.6 9.19,7.9 9.19,3.77 R46.1
  Top w0.5: Q23.2 8.81,10.63 10.06,9.38 10.36,9.38
motor 24 anode: length 12.6
  Top w0.25: R48.1 11.73,4.85 11.73,7.9 J5.8
  Top w0.5: J5.8 12.64,9.34 Q24.2
motor 25 anode: length 14.2
  Top w0.25: J5.10 14.27,7.9 14.27,4.47 14.75,4 16.21,4 R50.1
  Top w0.5: Q25.2 16.46,10.09 J5.10
motor 26 anode: length 15.3
  Top w0.25: J5.12 16.81,7.9 16.81,6.05 19.27,3.58 20.23,3.58 R52.1
  Top w0.5: J5.12 17.98,11.47 19.59,13.07 Q26.2
motor 27 anode: length 17.3
  Top w0.25: J5.14 19.35,7.9 19.35,5.66 21.49,3.52 23.91,3.52 R54.1
  Top w0.5: Q27.2 23.07,13.07 20.53,10.53 J5.14
motor 28 anode: length 19.8
  Top w0.25: J5.16 21.89,7.9 21.89,5.73 23.65,3.97 27.08,3.97 R56.1
  Top w0.5: J5.16 23.07,10.85 23.91,11.69 25.14,11.69 26.52,13.07 Q28.2
motor 29 anode: length 22.1
  Top w0.25: R59.1 31.39,3.29 28.4,3.29 27.27,4.42 26.04,4.42 24.43,6.03 24.43,7.9 J5.18
  Top w0.5: Q29.2 29.97,13.07 28.99,12.09 26.79,12.09 25.61,10.91 J5.18
motor 30 anode: length 24.5
  Top w0.25: J5.20 26.97,7.9 26.97,5.36 28.59,3.74 34.72,3.74 36.11,2.35 R61.1
  Top w0.5: Q30.2 35.43,12.92 33.36,12.92 32.76,12.32 30.2,12.32 28.14,10.26 J5.20
motor 31 anode: length 26.9
  Top w0.25: R63.1 38.62,3.29 35.8,3.29 34.9,4.19 31.37,4.19 29.32,6.24 29.32,7.71 J5.22
  Top w0.5: Q31.2 38.14,13.07 37.29,12.22 33.65,12.22 33.05,11.62 31.54,11.62 30.68,10.77 J5.22
motor 32 anode: length 29.2
  Top w0.25: J5.24 31.86,7.71 31.86,6.24 33.46,4.64 35.09,4.64 35.99,3.74 41.06,3.74 42.61,2.19 R65.1
  Top w0.5: J5.24 33.22,10.68 34.06,11.52 37.58,11.52 38.38,12.32 40.39,12.32 41.14,13.07 Q32.2
motor 33 anode: length 30.8
  Top w0.25: J5.26 34.59,7.9 34.59,5.77 36.18,4.19 41.24,4.19 42.1,3.33 45.04,3.33 46.19,2.19 R78.1
  Top w0.5: v1(45.24,12.97) 46.96,12.97 Q33.2
  Bottom w0.5: J5.26 35.77,9.38 39.36,12.97 v1(45.24,12.97)
motor 34 anode: length 34
  Top w0.25: J5.28 37.13,7.9 37.13,5.96 38.46,4.64 41.43,4.64 42.28,3.78 45.22,3.78 45.72,3.29 49.48,3.29 R79.1
  Top w0.5: J5.28 38.3,10.69 39.24,11.62 40.68,11.62 41.38,12.32 44.69,12.32 44.89,12.12 49.93,12.12 Q34.2
motor 35 anode: length 36.2
  Top w0.25: J5.30 39.67,7.9 39.67,6.05 40.63,5.09 41.61,5.09 42.47,4.23 45.41,4.23 45.91,3.74 51.38,3.74 51.83,3.29 53.1,3.29 R80.1
  Top w0.5: J5.30 40.84,10.65 41.82,11.62 43.81,11.62 44.01,11.42 50.22,11.42 50.75,11.96 51.5,11.96 52.62,13.07 Q35.2
motor 36 anode: length 39.4
  Top w0.25: J5.32 42.02,7.71 42.02,5.32 42.65,4.69 45.6,4.69 46.09,4.19 47.51,4.19 47.51,4.19 51.57,4.19 52.02,3.74 53.28,3.74 53.73,3.29 56.25,3.29 57.35,2.19 R81.1
  Top w0.5: Q36.2 58.13,12.67 v1(56.71,12.67)
  Bottom w0.5: v1(56.71,12.67) 56.09,12.04 44.29,12.04 43.39,11.14 J5.32
motor 37 anode: length 40.1
  Top w0.25: R82.1 60.33,3.29 56.88,3.29 56.43,3.74 53.92,3.74 53.47,4.19 52.2,4.19 51.75,4.64 46.28,4.64 45.78,5.13 45.36,5.13 44.72,5.77 44.72,7.87 J5.34
  Top w0.5: v1(59.94,12.32) 60.69,13.07 Q37.2
  Bottom w0.5: J5.34 48.02,11.17 58.79,11.17 v1(59.94,12.32)
motor 38 anode: length 43.1
  Top w0.25: J5.36 47.2,7.81 47.2,5.66 47.78,5.09 51.94,5.09 52.39,4.64 53.66,4.64 54.11,4.19 56.62,4.19 57.07,3.74 62.18,3.74 62.63,3.29 63.95,3.29 R83.1
  Top w0.5: Q38.2 65.27,12.17 62.86,12.17 61.47,10.78 54.97,10.78 54.37,11.38 52.02,11.38 51.32,10.68 50.06,10.68 J5.36
motor 39 anode: length 43.3
  Top w0.25: R84.1 67.57,3.29 64.59,3.29 64.14,3.74 62.82,3.74 62.37,4.19 57.25,4.19 56.8,4.64 54.29,4.64 53.84,5.09 52.57,5.09 52.18,5.48 52.18,7.9 J5.38
  Top w0.5: Q39.2 70,12.66 68.81,11.47 63.15,11.47 61.76,10.08 54.68,10.08 54.08,10.68 52.62,10.68 51.02,9.08 J5.38
motor 40 anode: length 43.8
  Top w0.25: R85.1 71.19,3.29 68.21,3.29 67.76,3.74 64.77,3.74 64.32,4.19 63,4.19 62.55,4.64 57.48,4.64 53.55,8.57 J5.40
  Top w0.5: J5.40 62.05,9.08 63.74,10.77 71.52,10.77 Q40.2
Motor Voltage Input: length 8.4
  Bottom w1.5: J2.2 3.47,23.55 4.73,22.29 6.66,22.29 7.84,23.47 9.45,23.47 JP1.3
Power draw resistor A: length 8.5
  Top w0.25: R66.2 11.45,28.96 12.01,29.52 12.01,30.37 11.01,31.37 9.46,31.37 8.81,32.02 8.81,33.39 8.22,33.98 7.43,33.98
Power draw resistor B: length 11.5
  Top w0.25: 7.43,30.98 6.38,30.98 v1(6.35,30.96) ; R67.2 12.46,28.27 12.46,30.56 11.2,31.82 10.58,31.82 v1(9.53,32.87)
  Bottom w0.25: v1(6.35,30.96) 8.26,32.87 v1(9.53,32.87)
register1 to register2: length 21.4
  Top w0.25: U2.9 15.39,36.61 14.47,36.61 14.07,36.21 v1(14.07,36.21) ; U6.14 29.84,31.71 v1(28.96,31.71)
  Bottom w0.25: v1(28.96,31.71) 27.64,31.71 27.64,31.7 26.89,31.7 26.62,31.43 23.78,31.43 18.31,36.89 14.75,36.89 v1(14.07,36.21)
register2 to register3: length 17.5
  Top w0.25: U9.14 18.49,21.36 18.49,27.46 20.45,29.42 27,29.42 27.2,29.22 27.73,29.22 U6.9
register3 to register4: length 18.4
  Top w0.25: v1(21.36,16.18) 21.36,17.13 23.01,18.78 23.01,20.4 24.46,21.85 24.46,23.02 U11.14 ; U9.9 15.71,19.54 v1(15.71,20.37)
  Bottom w0.25: v1(15.71,20.37) 16.43,20.37 20.63,16.18 v1(21.36,16.18)
register4 to register5: length 9
  Top w0.25: U11.9 27.44,25.8 28.44,24.8 33.07,24.8 U4.14
SCLK - A: length 15.1
  Top w0.25: U1.39 67.97,20.37 v1(68.75,21.16)
  Bottom w0.25: v1(68.75,21.16) 69.59,20.32 69.59,11.19 69.04,10.64 69.04,9.38
SCLK - B: length 19.6
  Top w0.25: U1.5 64.11,36.22 v1(64.11,34.94)
  Bottom w0.25: v1(64.11,34.94) 64.11,35.67 66.79,38.34 67.29,38.34 67.81,38.86 67.81,39.86 69.25,41.31 70.49,41.31 70.91,41.73 70.91,42.33 70.49,42.76 67.75,42.76 66.5,44.01 J6.6
shift out serial: length 49.1
  Top w0.25: U1.20 50.53,28.15 50.08,28.6 49,28.6 47.98,27.58 v1(45.29,27.58) ; v1(14.59,32.84) 14.56,32.84 U2.14
  Bottom w0.25: v1(45.29,27.58) 44.5,27.58 43.16,26.23 43.16,25.13 42,23.97 39.64,23.97 38.44,25.17 38.1,25.17 35.1,28.17 31.36,28.17 30.6,28.93 30.6,29.32 30.18,29.75 29.79,29.75 28.28,31.25 27.08,31.25 26.8,30.98 23.59,30.98 18.5,36.07 15.73,36.07 15.04,35.38 15.04,33.29 v1(14.59,32.84)
SPI clock pin: length 91
  Top w0.2: v1(27.25,21.86) 27.25,22.98 U11.11
  Top w0.25: U9.11 16.32,20.78 v1(16.32,22.14) ; v1(29.52,27.33) 29.88,27.68 v1(29.88,29.02) 29.77,29.02 U6.11 ; v1(38.14,24.44) 37.56,23.86 36.66,23.86 35.74,24.78 U4.11 ; v1(46.01,26.85) 48.28,26.85 49.16,27.74 49.97,27.74 50.83,26.88 U1.21 ; v1(16,33.92) 16,34.08 14.95,35.13 U2.11 ; 25.61,24.54 25.61,24.54
  Bottom w0.25: v1(27.25,21.86) 27.25,22.86 28.08,23.68 29.36,23.68 30.15,24.47 30.15,26.69 v1(29.52,27.33) 29.52,27.72 27.88,29.35 27.31,29.35 27.04,29.63 19.88,29.63 19.48,29.22 16.23,29.22 15.08,28.07 15.08,23.38 v1(16.32,22.14) ; v1(46.01,26.85) 44.41,26.85 43.61,26.05 43.61,24.94 42.19,23.52 39.06,23.52 v1(38.14,24.44) 38.14,24.49 34.91,27.72 31.18,27.72 v1(29.88,29.02) 28.1,30.8 27.26,30.8 26.99,30.53 23.41,30.53 18.88,35.05 17.08,35.05 16.51,35.62 15.91,35.62 15.49,35.19 15.49,34.43 v1(16,33.92)
SS - A: length 32.3
  Top w0.25: v1(66.88,22.4) 66.88,23.38 65.43,24.83 U1.4
  Bottom w0.25: J7.3 67.76,7.8 67.76,10 69.09,11.33 69.09,19.8 66.88,22.01 v1(66.88,22.4)
SS - B: length 42
  Top w0.25: U1.12 55.27,34.71 56.14,33.84 v1(56.14,32.27)
  Bottom w0.25: v1(56.14,32.27) 57.11,31.29 62.88,31.29 64.13,30.04 67.74,30.04 70.09,32.39 70.09,36.28 70.86,37.06 73.6,37.06 74.51,37.97 74.51,40.64 70.21,44.94 70.21,47.27 J6.3
V Motor: length 193.3
  Top w0.25: R88.2 75.59,14.13 Q40.3
  Top w0.9: Q40.3 v1(9.02,14.02) Q22.3 v1(5.59,14.02) Q21.3 ; 75.24,40.98 Q1.3
  Top w1.4: v1(9.96,16.51) 10.69,15.78 Q23.3
  Top w1.5: v1(4.27,17.32) v1(4.27,18.55) v1(4.27,19.84) 0.86,23.25 0.86,40.68 Q1.3
  Bottom w1.4: JP1.2 10.41,21.04 11.54,19.91 11.54,18.1 v1(9.96,16.51)
  Bottom w1.5: v1(9.96,16.51) 9.96,14.96 v1(9.02,14.02) v1(5.59,14.02) 4.25,15.36 4.25,17.3 v1(4.27,17.32)
